# KiCad board BigBoy.kicad_pcb (continued)
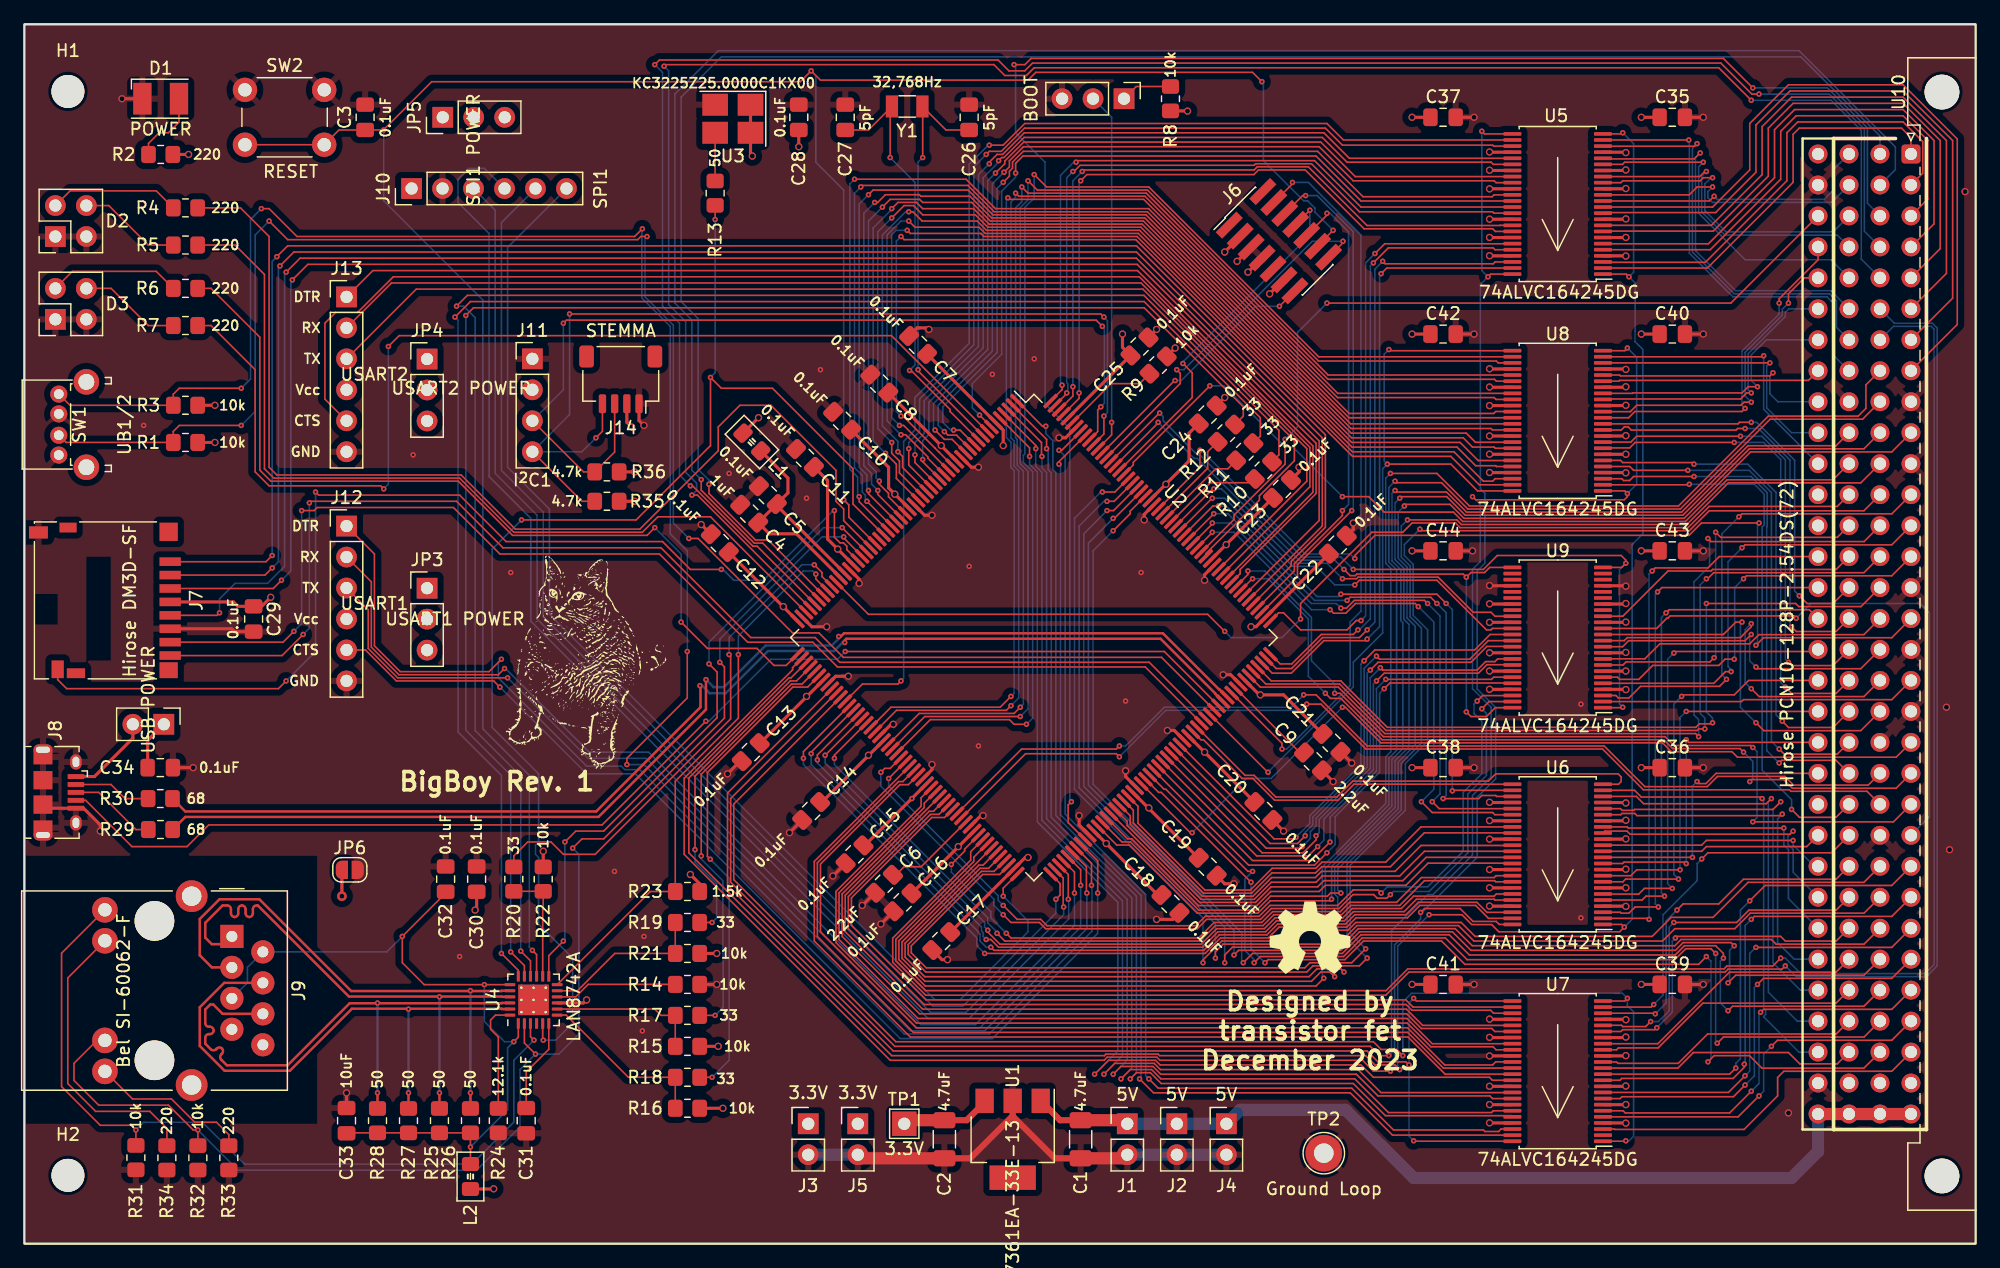
[diagram p0: board, top side]
## Footprints (pads in the part's own frame, mm; a bottom-side part is the same pattern mirrored in y, then rotated) (continued)
  custom 1x0.5 smd: 1(-0.65,0) 2(0.65,0)
SOT-223
  rect 2x1.5 smd: 1(-3.15,2.3) 2(-3.15,0) 3(-3.15,-2.3)
  rect 2x3.8 smd: 4(3.15,0)
SW_PUSH_6mm
  round 2 hole 1.1: 1(0,0) 1(6.5,0) 2(0,-4.5) 2(6.5,-4.5)
TestPoint_Loop_D2.60mm_Drill1.6mm_Beaded
  round 3 hole 1.6: 1(0,0)
TestPoint_THTPad_2.0x2.0mm_Drill1.0mm
  rect 2x2 hole 1: 1(0,0)
TSSOP-48_6.1x12.5mm_P0.5mm
  rrect 1.475x0.3 smd: 1(-3.712,5.75) 2(-3.712,5.25) 3(-3.712,4.75) 4(-3.712,4.25) 5(-3.712,3.75) 6(-3.712,3.25) 7(-3.712,2.75) 8(-3.712,2.25) 9(-3.712,1.75) 10(-3.712,1.25) 11(-3.712,0.75) 12(-3.712,0.25) 13(-3.712,-0.25) 14(-3.712,-0.75) 15(-3.712,-1.25) 16(-3.712,-1.75) 17(-3.712,-2.25) 18(-3.712,-2.75) 19(-3.712,-3.25) 20(-3.712,-3.75) 21(-3.712,-4.25) 22(-3.712,-4.75) 23(-3.712,-5.25) 24(-3.712,-5.75) 25(3.712,-5.75) 26(3.712,-5.25) 27(3.712,-4.75) 28(3.712,-4.25) 29(3.712,-3.75) 30(3.712,-3.25) 31(3.712,-2.75) 32(3.712,-2.25) 33(3.712,-1.75) 34(3.712,-1.25) 35(3.712,-0.75) 36(3.712,-0.25) 37(3.712,0.25) 38(3.712,0.75) 39(3.712,1.25) 40(3.712,1.75) 41(3.712,2.25) 42(3.712,2.75) 43(3.712,3.25) 44(3.712,3.75) 45(3.712,4.25) 46(3.712,4.75) 47(3.712,5.25) 48(3.712,5.75)
USB_Micro-B_Amphenol_10118194_Horizontal
  oval 0.89x1.55 smd: (-3.5,-1.3) (3.5,-1.3)
  oval 1.25x0.95 smd: (-2.5,1.4) (2.5,1.4)
  rect 0.4x1.35 smd: 1(-1.3,1.4) 2(-0.65,1.4) 3(0,1.4) 4(0.65,1.4) 5(1.3,1.4)
  oval 0.89x1.55 hole 0.5x1.15: 6(-3.5,-1.3) 6(3.5,-1.3)
  rect 1.2x1.55 smd: 6(-2.9,-1.3) 6(2.9,-1.3)
  oval 1.25x0.95 hole 0.85x0.55: 6(-2.5,1.4) 6(2.5,1.4)
  rect 1.5x1.55 smd: 6(-1,-1.3) 6(1,-1.3)
VQFN-24-1EP_4x4mm_P0.5mm_EP2.5x2.5mm_ThermalVias
  custom 0.927x0.927 smd: (-0.5,0.5) (-0.5,-0.5) (0.5,0.5) (0.5,-0.5)
  rrect 0.875x0.25 smd: 1(-1.938,1.25) 2(-1.938,0.75) 3(-1.938,0.25) 4(-1.938,-0.25) 5(-1.938,-0.75) 6(-1.938,-1.25) 13(1.938,-1.25) 14(1.938,-0.75) 15(1.938,-0.25) 16(1.938,0.25) 17(1.938,0.75) 18(1.938,1.25)
  rrect 0.25x0.875 smd: 7(-1.25,-1.938) 8(-0.75,-1.938) 9(-0.25,-1.938) 10(0.25,-1.938) 11(0.75,-1.938) 12(1.25,-1.938) 19(1.25,1.938) 20(0.75,1.938) 21(0.25,1.938) 22(-0.25,1.938) 23(-0.75,1.938) 24(-1.25,1.938)
  round 0.5 hole 0.2: 25(-1,1) 25(-1,0) 25(-1,-1) 25(0,1) 25(0,0) 25(0,-1) 25(1,1) 25(1,0) 25(1,-1)
  rect 2.5x2.5 smd: 25(0,0)
  rect 2.5x2.5 smd far side: 25(0,0)

## Nets
+3.3V: C2.1 C7.1 C8.1 C10.1 C11.1 C12.1 C13.1 C14.1 C15.1 C16.1 C17.1 C18.1 C19.1 C20.1 C21.1 C22.1 C23.1 C24.1 C25.1 C28.1 C29.1 C30.1 C37.1 C38.1 C41.1 C42.1 C44.1 J3.1 J5.1 J6.3 J7.4 J11.2 J14.2 JP3.3 JP4.3 JP5.3 L1.2 L2.2 R1.1 R2.1 R3.1 R8.1 R9.1 R15.1 R16.1 R21.1 R22.1 R23.1 R35.1 R36.1 TP1.1 U1.3 U2.6 U2.15 U2.26 U2.39 U2.52 U2.59 U2.73 U2.83 U2.94 U2.103 U2.115 U2.124 U2.137 U2.150 U2.158 U2.171 U2.185 U2.204 U3.1 U3.4 U4.9 U5.31 U5.42 U6.31 U6.42 U7.31 U7.42 U8.31 U8.42 U9.31 U9.42
+5V: C1.1 C34.1 C35.2 C36.2 C39.2 C40.2 C43.2 J1.1 J2.1 J4.1 JP2.1 JP3.1 JP4.1 JP5.1 U1.1 U5.7 U5.18 U6.7 U6.18 U7.7 U7.18 U8.7 U8.18 U9.7 U9.18 U10.a32 U10.b32 U10.c32 U10.d1 U10.d13 U10.d32
GND: C1.2 C2.2 C3.2 C4.1 C5.1 C6.2 C7.2 C8.2 C9.2 C10.2 C11.2 C12.2 C13.2 C14.2 C15.2 C16.2 C17.2 C18.2 C19.2 C20.2 C21.2 C22.2 C23.2 C24.2 C25.2 C26.2 C27.2 C28.2 C29.2 C30.2 C31.2 C32.2 C33.2 C34.2 C35.1 C36.1 C37.2 C38.2 C39.1 C40.1 C41.2 C42.2 C43.1 C44.2 D1.1 D2.2 D2.4 D3.2 D3.4 J1.2 J2.2 J3.2 J4.2 J5.2 J6.5 J6.7 J6.11 J7.6 J7.10 J8.5 J8.6 J10.2 J11.1 J12.6 J13.6 J14.1 JP1.3 JP6.2 R14.2 R24.2 R31.2 R32.2 R33.2 R34.2 SW1.1 SW1.3 SW2.1 TP2.1 U1.2 U2.14 U2.25 U2.40 U2.51 U2.60 U2.72 U2.82 U2.93 U2.114 U2.125 U2.136 U2.149 U2.170 U2.184 U2.202 U3.2 U4.25 U5.4 U5.10 U5.15 U5.21 U5.28 U5.34 U5.39 U5.45 U6.4 U6.10 U6.15 U6.21 U6.28 U6.34 U6.39 U6.45 U7.4 U7.10 U7.15 U7.21 U7.28 U7.34 U7.39 U7.45 U8.4 U8.10 U8.15 U8.21 U8.28 U8.34 U8.39 U8.45 U9.4 U9.10 U9.15 U9.21 U9.28 U9.34 U9.39 U9.45 U10.a9 U10.a11 U10.a15 U10.a17 U10.a19 U10.b20 U10.b23 U10.c9 U10.d2 U10.d12 U10.d22 U10.d31
/IO/RD+: J9.4 R27.2 U4.23
/IO/RD-: J9.6 R28.2 U4.22
/IO/TD+: J9.1 R25.2 U4.21
/IO/TD-: J9.3 R26.2 U4.20
AH_DIR: U2.139 U6.24
AL_DIR: U2.55 U5.1 U5.24 U6.1
CLK_25M: R13.2 U2.32 U4.5
DH_DIR: U2.62 U8.1 U8.24
DL_DIR: U2.63 U7.1 U7.24
I2C_SCL: J11.4 J14.4 R35.2 U2.198
I2C_SDA: J11.3 J14.3 R36.2 U2.199
LA0: U2.200 U7.47
LA1: U2.201 U7.46
LA2: U2.1 U7.44
LA3: U2.2 U7.43
LA4: U2.3 U7.41
LA5: U2.4 U7.40
LA6: U2.5 U7.38
LA7: U2.79 U7.37
LA8: U2.80 U7.36
LA9: U2.81 U7.35
LA10: U2.84 U7.33
LA11: U2.85 U7.32
LA12: U2.86 U7.30
LA13: U2.87 U7.29
LA14: U2.88 U7.27
LA15: U2.89 U7.26
LA16: U2.16 U8.47
LA17: U2.17 U8.46
LA18: U2.18 U8.44
LA19: U2.22 U8.43
LA20: U2.23 U8.41
LA21: U2.24 U8.40
LA22: U2.27 U8.38
LA23: U2.28 U8.37
LA24: U2.29 U8.36
LA25: U2.30 U8.35
LA26: U2.31 U8.33
LA27: U2.70 U8.32
LA28: U2.71 U8.30
LA29: U2.74 U8.29
LA30: U2.75 U8.27
LA31: U2.76 U8.26
LAM0: U2.132 U9.40
LAM1: U2.133 U9.38
LAM2: U2.134 U9.37
LAM3: U2.135 U9.36
LAM4: U2.178 U9.35
LAM5: U2.179 U9.33
LD0: U2.154 U5.47
LD1: U2.155 U5.46
LD2: U2.156 U5.44
LD3: U2.157 U5.43
LD4: U2.205 U5.41
LD5: U2.206 U5.40
LD6: U2.207 U5.38
LD7: U2.208 U5.37
LD8: U2.7 U5.36
LD9: U2.11 U5.35
LD10: U2.12 U5.33
LD11: U2.13 U5.32
LD12: U2.19 U5.30
LD13: U2.20 U5.29
LD14: U2.21 U5.27
LD15: U2.64 U5.26
LD16: U2.65 U6.47
LD17: U2.66 U6.46
LD18: U2.67 U6.44
LD19: U2.68 U6.43
LD20: U2.69 U6.41
LD21: U2.95 U6.40
LD22: U2.118 U6.38
LD23: U2.119 U6.37
LD24: U2.120 U6.36
LD25: U2.121 U6.35
LD26: U2.122 U6.33
LD27: U2.123 U6.32
LD28: U2.174 U6.30
LD29: U2.175 U6.29
LD30: U2.176 U6.27
LD31: U2.177 U6.26
RMII_CRS_DV: R19.1 U2.56
RMII_MDC: U2.36 U4.13
RMII_MDIO: R23.2 U2.45 U4.12
RMII_nINT: J9.L3 R32.1 U2.37 U4.2
RMII_REF_CLK: R20.1 U2.44
RMII_RXD0: R17.1 U2.57
RMII_RXD1: R18.1 U2.58
RMII_TXD0: R12.2 U4.17
RMII_TXD1: R11.2 U4.18
RMII_TXEN: R10.2 U4.16
SDIO_CLK: J7.5 U2.163
SDIO_CMD: J7.3 U2.166
SDIO_D0: J7.7 U2.140
SDIO_D1: J7.8 U2.141
SDIO_D2: J7.1 U2.161
SDIO_D3: J7.2 U2.162
SDIO_DET: J7.9 U2.38
SPI_SCK: J10.5 U2.105
SPI_SDI: J10.4 U2.107
SPI_SDO: J10.3 U2.106
TCK/SWCLK: J6.6 U2.159
TDI: J6.10 U2.160
TDO/SWO: J6.8 U2.192
TMS/SWDIO: J6.4 U2.147
UB1: R1.2 SW1.2 U2.143
UB2: R3.2 SW1.4 U2.110
UL1: R4.1 U2.35
UL2: R5.1 U2.50
UL3: R6.1 U2.53
UL4: R7.1 U2.8
USART1_CTS: J12.1 U2.111
USART1_RTS: J12.5 U2.112
USART1_RX: J12.3 U2.109
USART1_TX: J12.2 U2.108
USART2_CTS: J13.1 U2.167
USART2_RTS: J13.5 U2.168
USART2_RX: J13.3 U2.172
USART2_TX: J13.2 U2.169
USB_DN: R30.2 U2.145
USB_DP: R29.2 U2.146
USB_ID: J8.4 U2.144
VA1: U7.3 U10.a30
VA2: U7.5 U10.a29
VA3: U7.6 U10.a28
VA4: U7.8 U10.a27
VA5: U7.9 U10.a26
VA6: U7.11 U10.a25
VA7: U7.12 U10.a24
VA8: U7.13 U10.c30
VA9: U7.14 U10.c29
VA10: U7.16 U10.c28
VA11: U7.17 U10.c27
VA12: U7.19 U10.c26
VA13: U7.20 U10.c25
VA14: U7.22 U10.c24
VA15: U7.23 U10.c23
VA16: U8.2 U10.c22
VA17: U8.3 U10.c21
VA18: U8.5 U10.c20
VA19: U8.6 U10.c19
VA20: U8.8 U10.c18
VA21: U8.9 U10.c17
VA22: U8.11 U10.c16
VA23: U8.12 U10.c15
VA24: U8.13 U10.d4
VA25: U8.14 U10.d5
VA26: U8.16 U10.d6
VA27: U8.17 U10.d7
VA28: U8.19 U10.d8
VA29: U8.20 U10.d9
VA30: U8.22 U10.d10
VA31: U8.23 U10.d11
VAM0: U9.9 U10.b16
VAM1: U9.11 U10.b17
VAM2: U9.12 U10.b18
VAM3: U9.13 U10.b19
VAM4: U9.14 U10.a23
VAM5: U9.16 U10.c14
VCP_RX: J6.13 U2.196
VCP_TX: J6.14 U2.195
VD0: U5.2 U10.a1
VD1: U5.3 U10.a2
VD2: U5.5 U10.a3
VD3: U5.6 U10.a4
VD4: U5.8 U10.a5
VD5: U5.9 U10.a6
VD6: U5.11 U10.a7
VD7: U5.12 U10.a8
VD8: U5.13 U10.c1
VD9: U5.14 U10.c2
VD10: U5.16 U10.c3
VD11: U5.17 U10.c4
VD12: U5.19 U10.c5
VD13: U5.20 U10.c6
VD14: U5.22 U10.c7
VD15: U5.23 U10.c8
VD16: U6.2 U10.d14
VD17: U6.3 U10.d15
VD18: U6.5 U10.d16
VD19: U6.6 U10.d17
VD20: U6.8 U10.d18
VD21: U6.9 U10.d19
VD22: U6.11 U10.d20
VD23: U6.12 U10.d21
VD24: U6.13 U10.d23
VD25: U6.14 U10.d24
VD26: U6.16 U10.d25
VD27: U6.17 U10.d26
VD28: U6.19 U10.d27
VD29: U6.20 U10.d28
VD30: U6.22 U10.d29
VD31: U6.23 U10.d30
~{AH_OE}: U2.138 U6.25
~{AL_OE}: U2.54 U5.25 U5.48 U6.48
~{CTRL_DIR}: U2.194 U9.1 U9.24
~{CTRL_OE}: U2.193 U9.25 U9.48
~{DH_OE}: U2.142 U8.25 U8.48
~{DL_OE}: U2.61 U7.25 U7.48
~{LAS}: U2.77 U9.47
~{LDS0}: U2.129 U9.44
~{LDS1}: U2.78 U9.46
~{LLWORD}: U2.131 U9.41
~{LWRITE}: U2.130 U9.43
~{RESET}: C3.1 J6.12 SW2.2 U2.34 U4.15
~{SPI_CS}: J10.6 U2.104
~{VACFAIL}: U2.113 U10.b3
~{VAS}: U9.2 U10.a18
~{VBBSY}: U2.46 U10.b1
~{VBCLR}: U2.47 U10.b2
~{VBERR}: U2.191 U10.c11
~{VBG0IN}: U2.48 U10.b4
~{VBG0OUT}: U2.49 U10.b5
~{VBG1IN}: U2.96 U10.b6
~{VBG1OUT}: U2.97 U10.b7
~{VBG2IN}: U2.98 U10.b8
~{VBG2OUT}: U2.99 U10.b9
~{VBG3IN}: U2.100 U10.b10
~{VBG3OUT}: U2.101 U10.b11
~{VBR0}: U2.102 U10.b12
~{VBR1}: U2.151 U10.b13
~{VBR2}: U2.152 U10.b14
~{VBR3}: U2.153 U10.b15
~{VDS0}: U9.5 U10.a13
~{VDS1}: U9.3 U10.a12
~{VDTACK}: U2.183 U10.a16
~{VIACKIN}: U2.164 U10.a21
~{VIACKOUT}: U2.165 U10.a22
~{VIACK}: U2.126 U10.a20
~{VIRQ1}: U2.127 U10.b30
~{VIRQ2}: U2.128 U10.b29
~{VIRQ3}: U2.186 U10.b28
~{VIRQ4}: U2.187 U10.b27
~{VIRQ5}: U2.188 U10.b26
~{VIRQ6}: U2.189 U10.b25
~{VIRQ7}: U2.190 U10.b24
~{VLWORD}: U9.8 U10.c13
~{VRETRY}: U2.173 U10.d3
~{VSERCLK}: U2.90 U10.b21
~{VSERDAT}: U2.91 U10.b22
~{VSYSCLK}: U2.117 U10.a10
~{VSYSFAIL}: U2.116 U10.c10
~{VSYSRESET}: U2.43 U10.c12
~{VWRITE}: U9.6 U10.a14
Net-(C6-Pad1): C6.1 U2.92
Net-(C9-Pad1): C9.1 U2.148
Net-(D1-A): D1.2 R2.2
Net-(D2-A1): D2.1 R5.2
Net-(D2-A2): D2.3 R4.2
Net-(D3-A1): D3.1 R7.2
Net-(D3-A2): D3.3 R6.2
Net-(J8-D+): J8.3 R29.1
Net-(J8-D-): J8.2 R30.1
Net-(J8-VBUS): J8.1 JP2.2
Net-(J9-PadL2): J9.L2 R34.1
Net-(J9-PadL4): J9.L4 R33.1
Net-(J9-RCT): C32.1 C33.1 J9.2 J9.5 L2.1 R25.1 R26.1 R27.1 R28.1 U4.1 U4.19
Net-(J10-Pin_1): J10.1 JP5.2
Net-(J12-Pin_4): J12.4 JP3.2
Net-(J13-Pin_4): J13.4 JP4.2
Net-(JP1-A): JP1.1 R8.2
Net-(JP1-C): JP1.2 U2.197
Net-(JP6-A): J9.8 J9.SH JP6.1
Net-(U2A-PC14): C26.1 U2.9 Y1.2
Net-(U2A-PC15): C27.1 U2.10 Y1.1
Net-(U2B-PG11): R10.1 U2.180
Net-(U2B-PG12): R11.1 U2.181
Net-(U2B-PG13): R12.1 U2.182
Net-(U2D-PDR_ON): R9.2 U2.203
Net-(U2D-VDDA): C4.2 C5.2 L1.1 U2.41 U2.42
Net-(U3-CLK): R13.1 U3.3
Net-(U4-CRS_DV/MODE2): R19.2 R21.2 U4.11
Net-(U4-LED1/REGOFF): J9.L1 R31.1 U4.3
Net-(U4-RBIAS): R24.1 U4.24
Net-(U4-RXD0/MODE0): R15.2 R17.2 U4.8
Net-(U4-RXD1/MODE1): R16.2 R18.2 U4.7
Net-(U4-RXER/PHYAD0): R14.1 U4.10
Net-(U4-VDDCR): C31.1 U4.6
Net-(U4-~{INT}/REFCLKO): R20.2 R22.2 U4.14

Pads without a net: J6 1 2 9; J7 11; J9 7; J14 MP; U1 4; U2 33; U4 4; U7 2; U9 17 19 20 22 23 26 27 29 30 32; U10 a31 b31 c31

## Via types
v1: diameter 0.6, hole 0.4, Top to Bottom, 163 vias
v2: diameter 0.45, hole 0.2, Top to Bottom, 472 vias
v3: diameter 0.8, hole 0.4, Top to Bottom, 1 via

## Routing (per net, layer and track width the routed paths; a pad name or vN(x,y) marks a point on that pad's centre or on a via; arc(x,y) is an arc through that point)
+3.3V: length 239.3
  Top w0.254: v1(120.14,88.04) 120.16,88.02 U5.31 ; C44.1 v1(113.79,56.82) ; U2.26 v1(71.37,61.47) 70.87,61.98 70.87,63.68 C10.1 ; C22.1 106.96,56.56 U2.158 101,50.6 v1(100.58,50.6) ; U7.31 120.16,16.9 v1(120.14,16.92) ; J7.4 17.15,52.63 17.51,52.27 C29.1 19.45,52.27 v1(20.19,53.01) ; v1(120.14,29.18) 120.15,29.18 U6.42 ; U3.1 U3.4 59.54,89.35 v1(59.69,89.21) ; L2.2 38.46,4.48 v1(38.48,4.5) ; R2.1 v1(13.46,89.33) ; U2.150 101.27,45.01 v1(101.35,45.01) 103.25,45.01 C21.1 ; C8.1 70.84,69.78 75.17,65.46 v1(75.18,65.46) 75.18,65.44 U2.15 ; C41.1 v1(113.79,21.26) ; v1(82.3,31.67) 82.07,31.67 U2.103 75.95,25.55 C17.1 ; C16.1 72.76,28.72 76.58,32.55 v1(76.58,32.56) 76.6,32.56 U2.94 ; v1(120.14,46.96) 120.15,46.96 U9.42 ; R35.1 v1(50.04,60.88) ; 73.89,72.85 C7.1 74.01,72.97 U2.6 80.26,66.72 v1(80.26,65.46) ; v1(49.78,66.98) 49.4,67.36 J14.2 ; C19.1 96.25,31.65 92.2,35.69 v1(92.2,35.74) 92.16,35.74 U2.124 ; C23.1 102.37,61.17 98.55,57.35 v1(98.55,57.33) 98.53,57.33 U2.171 ; C42.1 v1(113.79,74.6) ; v1(120.14,52.48) 120.16,52.46 U9.31 ; v1(120.14,70.26) 120.16,70.24 U8.31 ; 48.75,63.3 v1(50.04,63.3) ; C12.1 57.76,56.7 62.21,52.25 v1(62.23,52.25) 62.23,52.23 U2.52 ; U5.42 120.15,82.52 v1(120.14,82.52) ; U4.9 45.85,19.74 v1(46.1,19.99) ; v1(15.62,65.71) R1.1 ; R8.1 95.36,92.9 v1(95.38,92.89) ; R21.1 v1(56.77,23.8) ; v1(120.14,34.7) 120.16,34.68 U6.31 ; R15.1 v1(56.9,16.18) ; J6.3 99.7,82.6 v1(98.42,81.33) ; U2.73 69.24,40.06 v1(69.22,40.06) 69.22,40.03 65.4,36.22 C14.1 ; R3.1 v1(15.62,68.76) ; R23.1 55.37,29.52 v1(54.61,30.28) ; C11.1 65.86,62.59 65.86,57.79 v1(66.69,56.96) U2.39 ; C15.1 68.92,32.66 72.76,36.5 v2(72.77,36.5) 72.77,36.51 U2.83 ; U2.204 85.56,67.7 C25.1 90.04,73.51 v1(90.04,74.6) ; U2.185 93.59,62.28 v1(93.6,62.28) 93.6,62.29 95.5,64.2 95.5,66.47 C24.1 ; R16.1 v1(57.28,11.1) ; U2.59 64.17,44.88 v1(64.14,44.88) 64.14,44.85 60.58,41.3 60.17,41.3 ; U2.115 v1(88.71,32.82) 92.93,28.6 C18.1 ; U8.42 120.15,64.74 v1(120.14,64.74) ; C38.1 v1(113.79,39.04) ; L1.2 v1(60.2,67.74) ; C30.1 37.08,27.48 v1(36.96,27.36) ; C37.1 v1(113.79,92.38) ; U2.137 95.46,41.63 v1(96.77,40.31) C20.1 ; R9.1 v1(94.36,73.46) ; v1(120.14,11.4) 120.15,11.4 U7.42 ; R22.1 42.55,32.31 ; C28.1 v1(63.5,89.97)
  Top w0.508: U1.3 78.74,11.6 77.27,10.12 C2.1
  Top w1: TP1.1 72.44,10.12 C2.1
  In2.Cu w0.254: v1(57.28,11.1) 58.55,9.83 J3.1
  In2.Cu w1: TP1.1 J5.1 J3.1
  vias: v1(42.55,32.18)
+5V: length 315.4
  Top w0.254: U6.7 131.31,29.18 v1(131.32,29.18) ; v1(131.32,70.28) 131.27,70.24 U8.18 ; v1(131.32,82.52) 131.31,82.52 U5.7 ; v1(131.32,52.5) 131.27,52.46 U9.18 ; v1(131.32,46.96) 131.31,46.96 U9.7 ; C40.2 v1(132.59,74.6) ; v1(131.32,16.94) 131.27,16.9 U7.18 ; C35.2 v1(132.59,92.38) ; C36.2 v1(132.59,39.04) ; U8.7 131.31,64.74 v1(131.32,64.74) ; C39.2 v1(132.59,21.26) ; C43.2 v1(132.59,56.82) ; U6.18 131.27,34.68 v1(131.32,34.72) ; v1(131.32,88.06) 131.27,88.02 U5.18 ; C34.1 10.11,41.27 JP2.1 ; v1(131.32,11.4) 131.31,11.4 U7.7
  Top w0.508: C1.1 84.93,10.12 U1.1
  Top w1: J1.1 90.15,10.12 C1.1 ; U10.a32 U10.b32 U10.c32 U10.d32
  In2.Cu w1: JP2.1 32.77,42.6 35.56,45.39 35.56,52.12 33.92,53.76 JP3.1 33.02,62.28 35.69,64.95 35.69,70.66 33.78,72.57 33.02,72.57 28.07,77.52 28.07,88.7 31.75,92.38 JP5.1 34.31,94.81 37.85,98.35 143.26,98.35 147.08,94.53 U10.d1
  Bottom w1: U10.d32 147.08,7.56 144.91,5.39 113.92,5.39 108.33,10.97 99.71,10.97 J4.1 J2.1 J1.1
GND: length 272.8
  Top w0.254: v1(99.19,29.52) 98.42,29.52 C19.2 ; J6.7 v1(100.33,79.68) ; U2.170 96.77,54.86 v1(96.77,54.41) ; U8.39 120.15,66.24 v1(120.14,66.24) ; U6.15 131.3,33.18 v1(131.32,33.2) ; v1(120.14,71.76) 120.16,71.74 U8.28 ; U5.39 120.15,84.02 v1(120.14,84.02) ; v1(86.49,35.1) 86.49,34.34 U2.114 ; C13.2 58.7,39.58 v1(57.66,38.53) ; U9.10 131.29,48.46 v1(131.32,48.49) ; C22.2 108.46,58.06 108.97,58.57 v1(108.97,59.11) ; v1(74.42,59.74) 73.81,59.74 U2.25 ; v1(131.32,50.98) 131.3,50.96 U9.15 ; v1(6.22,33.83) 6.22,34.34 4.86,35.71 J8.5 1.82,35.71 J8.6 ; C42.2 v1(118.87,74.6) ; U6.39 120.15,30.68 v1(120.14,30.68) ; C35.1 v1(137.67,92.38) ; J6.11 103.25,79.05 v1(102.11,77.9) ; v1(120.14,89.54) 120.16,89.52 U5.28 ; v1(74.17,74.98) 74.04,75.11 73.21,75.11 C7.2 ; C21.2 v1(108.84,39.42) ; v1(131.32,30.71) 131.29,30.68 U6.10 ; v1(50.8,67.11) 50.4,67.51 J14.1 ; C44.2 v1(118.74,56.82) ; v1(92.84,26.59) 94.18,26.59 C18.2 ; U7.4 131.3,9.9 v1(131.32,9.88) ; U8.34 120.15,68.74 v1(120.14,68.73) ; C12.2 v1(55.5,58.98) ; v1(74.42,39.29) 74.42,38.87 U2.82 ; U7.15 131.3,15.4 v1(131.32,15.42) ; U9.28 120.16,53.96 v1(120.14,53.98) ; C15.2 v1(66.29,30.15) ; U5.15 131.3,86.52 v1(131.32,86.54) ; C41.2 v1(118.87,21.26) ; v1(120.14,15.39) 120.15,15.4 U7.34 ; v1(131.32,53.92) 131.28,53.96 U9.21 ; 11.95,50.43 17,50.43 17.24,50.19 C29.2 ; U8.10 131.29,66.24 v1(131.32,66.27) ; U2.202 85.38,66.09 v1(84.84,66.09) ; v1(120.14,33.17) 120.15,33.18 U6.34 ; U6.4 131.3,27.68 v1(131.32,27.66) ; v1(99.44,80.57) 100.59,81.72 J6.5 ; U6.21 131.28,36.18 v1(131.32,36.14) ; U2.60 66.53,46.53 v1(67.56,46.53) ; U5.45 120.15,81.02 v1(120.14,81.03) ; U5.21 131.28,89.52 v1(131.32,89.48) ; C9.2 v1(107.32,37.9) ; C36.1 v1(137.67,39.04) ; C39.1 v1(137.67,21.26) ; C34.2 v1(13.84,39.04) ; C33.2 v1(26.42,12.37) ; C25.2 v1(92.84,74.98) ; v1(78.23,63.68) 77.65,63.68 U2.14 ; C37.2 v1(118.87,92.38) ; U8.15 131.3,68.74 v1(131.32,68.76) ; v1(131.32,63.22) 131.3,63.24 U8.4 ; C38.2 v1(118.87,39.04) ; U5.4 131.3,81.02 v1(131.32,81) ; v1(120.14,50.95) 120.15,50.96 U9.34 ; v1(75.69,23.29) 75.24,23.29 C17.2 ; U2.125 90.3,38.3 v1(90.3,38.79) ; U7.28 120.16,18.4 v1(120.14,18.42) ; U2.184 91.82,59.81 v1(91.82,59.36) ; v1(120.14,45.47) 120.15,45.46 U9.45 ; v1(131.32,12.93) 131.29,12.9 U7.10 ; U5.34 120.15,86.52 v1(120.14,86.51) ; v1(65.79,50.6) 64.57,50.6 U2.51 ; v1(120.14,12.9) 120.15,12.9 U7.39 ; C24.2 v1(98.42,69.39) ; v1(71.25,42.6) 71.07,42.6 U2.72 ; C14.2 v1(62.74,33.71) ; U9.39 120.15,48.46 v1(120.14,48.46) ; C6.2 v1(68.71,27.74) ; C43.1 v1(137.67,56.82) ; U9.4 131.3,45.46 v1(131.32,45.44) ; v1(120.14,36.2) 120.16,36.18 U6.28 ; v1(120.14,63.25) 120.15,63.24 U8.45 ; U7.45 120.15,9.9 v1(120.14,9.91) ; U2.40 68.45,54.49 v1(68.45,54.15) ; v1(120.14,27.69) 120.15,27.68 U6.45 ; v1(131.32,71.7) 131.28,71.74 U8.21 ; U7.21 131.28,18.4 v1(131.32,18.36) ; U2.93 78.43,35.1 v1(78.61,35.1) ; C40.1 v1(137.67,74.6) ; U5.10 131.29,84.02 v1(131.32,84.05) ; R14.2 v1(56.77,21.26) ; C20.2 v1(103.25,33.83) ; v1(104.52,63.68) 104.52,63.3 C23.2 ; C16.2 v1(70.23,26.21) ; U2.149 98.91,46.66 v1(98.3,46.66) ; D1.1 v1(8,93.9) ; v1(93.73,42.09) 94.29,42.09 U2.136
  Top w0.508: C2.2 77.56,7 81.04,10.48 ; 81.04,10.48 81.04,10.45 84.49,7 C1.2 ; 81.04,10.48 U1.2
  Top w1: J1.2 90.15,7 C1.2 ; C2.2 68.63,7 J5.2
  In1.Cu w0.254: v1(157.61,43.99) 157.26,43.65 U10.a19 ; U10.d2 148.26,85.65 158.5,85.65 v1(159.13,86.28) ; U10.c9 150.85,70.28 153.47,70.28 U10.a9 156.08,67.67 156.08,65.35 U10.a11 ; v1(144.65,10.72) 144.65,10.74 U10.d31 ; U10.a19 U10.b20 150.88,39.83 150.88,38.02 150.11,37.26 148.31,37.26 U10.d22 148.26,34.85 150.8,34.85 U10.b23 153.34,32.31 v1(157.86,32.31) ; U10.a19 153.42,44.93 153.42,47.45 U10.a17 ; SW1.1 1.79,64.68 1.27,65.2 1.27,67.49 1.84,68.05 SW1.3
  Bottom w1: J1.2 J2.2 J4.2 ; J3.2 J5.2
  vias: v2(9.78,67.11) v2(31.88,64.69) v2(35.69,23.55) v2(39.88,55.04) v2(48.39,30.53) v2(50.67,17.45) v2(50.8,25.2) v2(57.78,63.17) v2(64.14,61.14) v2(65.28,71.68) v2(77.47,55.55) v2(78.23,40.82) v2(79.38,71.3) v2(82.8,72.57) v2(90.3,44.5) v2(91.57,55.04) v2(127.64,44.25) v2(127.64,26.72)
/IO/RD+: length 45.7
  Top w0.2: U4.23 39.16,19.24 39.13,19.27 26.86,19.27 21.77,14.18 16.42,14.18 14.38,16.21 14.38,19.38 16.38,21.39 J9.4 ; R27.2 v2(31.5,12.37)
  Bottom w0.2: v2(31.5,12.37) v2(31.5,19.23)
/IO/RD-: length 46.2
  Top w0.2: U4.22 39.16,19.74 39.13,19.72 26.67,19.72 21.59,14.63 16.6,14.63 16.14,15.09 arc(16.05,15.3) 16.14,15.52 16.2,15.58 arc(16.29,15.79) 16.2,16 arc(15.99,16.09) 15.78,16 15.71,15.94 arc(15.5,15.85) 15.29,15.94 14.83,16.4 14.83,16.89 arc(14.92,17.1) 15.13,17.19 15.22,17.19 arc(15.43,17.27) 15.52,17.48 arc(15.43,17.7) 15.22,17.79 15.13,17.79 arc(14.92,17.87) 14.83,18.09 14.83,19.2 15.24,19.61 15.49,19.61 16.26,18.85 J9.6 ; R28.2 v2(28.96,12.37)
  Bottom w0.2: v2(28.96,19.74) v2(28.96,12.37)
/IO/TD+: length 44.5
  Top w0.2: R25.2 v2(34.04,12.37) ; U4.21 39.16,20.24 39.13,20.27 26.61,20.27 19.14,27.74 19.04,27.74 arc(18.82,27.65) 18.74,27.44 18.74,27.09 arc(18.65,26.88) 18.44,26.79 arc(18.22,26.88) 18.14,27.09 18.14,27.44 arc(18.05,27.65) 17.84,27.74 arc(17.62,27.65) 17.54,27.44 17.54,27.09 arc(17.45,26.88) 17.24,26.79 arc(17.02,26.88) 16.94,27.09 16.94,27.44 arc(16.85,27.65) 16.64,27.74 16.26,27.74 14.83,26.31 14.83,25.1 15.37,24.56 16.38,24.56 J9.1
  Bottom w0.2: v2(34.04,12.37) v2(34.04,20.24) 34.04,20.27
/IO/TD-: length 44.9
  Top w0.2: J9.3 15.37,22.66 14.38,23.64 14.38,26.62 16,28.25 19.27,28.25 26.8,20.72 39.13,20.72 39.16,20.74 U4.20 ; R26.2 v2(36.58,12.37)
  Bottom w0.2: v2(36.58,12.37) v2(36.58,20.75)
AH_DIR: length 40
  Top w0.127: U6.24 130.72,37.68 130.94,37.9 130.94,38.28 130.68,38.53 120.65,38.53 120.05,37.93 108.92,37.93 107.61,36.63 102.62,36.63 100.84,38.41 100.1,38.41 U2.139
AL_DIR: length 188.5
  Top w0.127: v2(112.78,14.28) 112.39,14.66 110.74,14.66 109.98,15.42 93.09,15.42 92.96,15.55 88.69,15.55 88.56,15.42 71.12,15.42 54.48,32.06 54.48,38.19 62.7,46.41 62.87,46.41 64.1,47.64 U2.55 ; v2(131.06,91.11) 130.97,91.02 U5.24 ; U6.1 130.97,26.18 v2(131.19,25.96) 130.81,25.58 120.9,25.58 120.31,26.17 118.68,26.17 117.88,26.98 v2(115.19,26.98) ; v2(131.57,79.3) 131.35,79.52 U5.1
  Bottom w0.127: v2(131.06,91.11) 131.95,90.22 131.95,79.68 v2(131.57,79.3) 132.08,78.79 132.08,74.82 132.07,74.81 132.07,73.97 132.71,73.33 132.71,58.22 131.84,57.34 131.84,26.6 v2(131.19,25.96) ; v2(112.78,14.28) 112.61,14.44 112.61,24.4 v2(115.19,26.98)
CLK_25M: length 108.7
  Top w0.127: v2(40.77,59.36) 50.17,59.36 56.26,65.46 v2(56.26,71.04) 57.15,70.16 61.34,70.16 67.95,63.55 67.95,60.66 U2.32 ; U4.5 42.5,16.73 v2(42.55,16.69) ; R13.2 v2(56.64,84)
  Bottom w0.127: v2(42.55,16.69) 43.56,16.69 44.96,18.09 44.96,23.42 42.16,26.21 42.16,31.67 41.91,31.93 41.91,32.67 42.16,32.93 42.16,38.53 38.35,42.34 38.35,56.95 v2(40.77,59.36) ; v2(56.26,71.04) 56.64,71.43 v2(56.64,84)
DH_DIR: length 159.6
  Top w0.127: U8.24 131.23,73.24 v2(131.44,73.46) ; v2(118.74,61.27) 119,61.01 131.19,61.01 131.44,61.27 v2(131.44,61.52) 131.23,61.74 U8.1 ; U2.62 57.91,36.5 57.91,29.64 71.37,16.18 110.36,16.18 111.13,15.42 v2(111.89,15.42)
  Bottom w0.127: v2(118.74,61.27) 119.38,60.63 119.38,55.93 118.74,55.3 118.74,45.51 120.27,43.99 120.27,38.28 118.74,36.75 118.74,31.86 115.51,28.63 115.06,28.63 112.1,25.67 112.1,15.64 v2(111.89,15.42) ; v2(131.44,61.52) 132.21,62.28 132.21,72.7 v2(131.44,73.46)
DL_DIR: length 119.1
  Top w0.127: U7.1 131.28,8.4 v2(131.32,8.43) ; v2(131.44,20.12) 131.23,19.9 U7.24 ; U2.63 58.17,36.05 58.17,29.85 71.46,16.56 110.62,16.56 111.25,15.93 112.52,15.93 v2(113.03,15.42)
  Bottom w0.127: v2(113.03,15.42) 113.03,19.82 113.75,20.53 131.03,20.53 v2(131.44,20.12) ; v2(131.32,8.43) 131.57,8.43 131.95,8.81 131.95,19.02 131.44,19.53 v2(131.44,20.12) ; v2(131.44,20.12) 131.44,20.24
I2C_SCL: length 83
  Top w0.127: v2(88.52,67.87) 88.52,66.4 U2.198 ; v2(46.86,66.09) 47.4,66.63 J14.4 ; R35.2 45.72,60.88 J11.4 ; v2(44.7,76.25) 88.27,76.25 v2(88.52,76)
  Bottom w0.127: v2(46.86,66.09) 45.72,64.95 J11.4 44.7,68 v2(44.7,76.25) ; v2(88.52,76) 88.81,75.71 88.81,68.16 v2(88.52,67.87)
I2C_SDA: length 76.6
  Top w0.127: v2(44.2,75.49) 44.45,75.74 87.88,75.74 v2(88.39,75.24) ; R36.2 48.4,64.93 J14.3 ; U2.199 88.01,66.6 88.01,68.38 v2(88.27,68.63) ; J11.3 45.85,63.3 46.75,63.3
  Bottom w0.127: J11.3 44.2,70.03 v2(44.2,75.49) ; v2(88.39,75.24) 88.56,75.07 88.56,68.92 v2(88.27,68.63)
LA0: length 89
  Top w0.127: U7.47 112.18,8.9 108.71,12.37 92.59,12.37 v2(91.44,13.51) ; U2.200 84.84,64.14 v2(84.84,63.93)
  Bottom w0.127: v2(84.84,63.93) 84.96,63.81 84.96,35.17 91.57,28.56 91.57,13.64 v2(91.44,13.51)
LA1: length 88.7
  Top w0.127: U7.46 121.08,9.4 120.88,9.2 119.76,9.2 119.63,9.32 112.27,9.32 108.84,12.75 92.97,12.75 v2(92.21,13.51) ; U2.201 85.07,65.08 v2(84.84,65.08)
  Bottom w0.127: v2(92.21,13.51) 91.95,13.77 91.95,28.63 85.34,35.23 85.34,64.57 v2(84.84,65.08)
LA2: length 93.1
  Top w0.127: U2.1 83.48,67.04 v2(83.76,67.04) 83.82,66.98 ; U7.44 121.92,10.49 111.6,10.49 108.97,13.13 93.22,13.13 92.33,14.02 91.19,14.02 v2(90.68,13.51)
  Bottom w0.127: v2(90.68,13.51) 91.19,14.02 91.19,28.5 84.58,35.1 84.58,63.24 84.33,63.5 84.33,65.87 83.76,66.44 v2(83.76,67.04)
LA3: length 93.6
  Top w0.127: v2(89.92,13.51) 90.68,14.28 92.43,14.28 93.2,13.51 109.09,13.51 111.86,10.75 120.3,10.75 120.45,10.9 U7.43 ; v2(83.82,65.2) 83.82,65.96 81.07,68.72 U2.2
  Bottom w0.127: v2(83.82,65.2) 83.95,65.08 83.95,63.48 84.2,63.22 84.2,34.98 90.8,28.37 90.8,14.4 v2(89.92,13.51)
LA4: length 93.1
  Top w0.127: U7.41 120.38,11.9 120.16,12.12 111,12.12 109.22,13.89 93.17,13.89 92.54,14.53 89.92,14.53 v2(89.28,13.89) ; U2.3 83.4,65.71 83.4,64.6 v2(83.44,64.57)
  Bottom w0.127: v2(83.44,64.57) 83.44,63.63 83.82,63.25 83.82,34.85 90.42,28.25 90.42,15.04 v2(89.28,13.89)
LA5: length 93.7
  Top w0.127: U2.4 82.93,65.47 v2(82.93,65.2) ; U7.40 122.01,12.39 111.24,12.39 109.35,14.28 93.15,14.28 92.64,14.78 89.41,14.78 v2(88.52,13.89)
  Bottom w0.127: v2(82.93,65.2) 82.93,63.78 83.44,63.27 83.44,34.72 90.04,28.12 90.04,15.42 v2(88.52,13.89)
LA6: length 94
  Top w0.127: v2(87.76,13.89) 88.9,15.04 92.75,15.04 93.13,14.66 109.6,14.66 110.61,13.64 120.13,13.64 120.38,13.4 U7.38 ; v2(82.42,64.57) 82.42,65.27 U2.5
  Bottom w0.127: v2(82.42,64.57) 82.42,63.92 83.06,63.29 83.06,34.59 89.66,27.99 89.66,15.8 v2(87.76,13.89)
LA7: length 79.3
  Top w0.127: U7.37 116.5,13.9 113.46,16.94 72.64,16.94 64.77,24.82 64.77,31.34 U2.79
LA8: length 78.6
  Top w0.127: U2.80 72.03,37.9 71.68,37.9 65.02,31.24 65.02,25.2 72.9,17.32 113.44,17.32 116.36,14.4 U7.36
LA9: length 78
  Top w0.127: U7.35 122.01,14.91 120.65,14.91 120.39,14.65 116.47,14.65 113.41,17.7 73.15,17.7 65.28,25.58 65.28,31.13 71.79,37.64 72.49,37.64 U2.81
LA10: length 75
  Top w0.127: U7.33 120.68,15.9 120.43,16.14 115.33,16.14 113.39,18.09 73.15,18.09 66.55,24.69 66.55,28.89 73.53,35.87 73.53,36.57 U2.84
LA11: length 74.1
  Top w0.127: U7.32 115.44,16.4 113.37,18.47 73.28,18.47 66.8,24.94 66.8,28.78 73.79,35.77 73.79,36.12 U2.85
LA12: length 73
  Top w0.127: U7.30 120.58,17.4 120.33,17.64 114.55,17.64 113.35,18.85 73.41,18.85 67.06,25.2 67.06,28.68 U2.86
LA13: length 72.2
  Top w0.127: U2.87 74.54,35.46 74.19,35.46 67.31,28.57 67.31,25.58 73.66,19.23 113.33,19.23 114.66,17.9 U7.29
LA14: length 71.3
  Top w0.127: U7.27 120.47,18.9 120.23,19.14 113.77,19.14 113.31,19.61 73.79,19.61 67.56,25.83 67.56,28.47 74.3,35.2 75,35.2 U2.88
LA15: length 70.5
  Top w0.127: U7.26 113.88,19.4 113.28,19.99 73.93,19.99 67.82,26.1 67.82,28.36 74.41,34.95 75.45,34.95 U2.89
LA16: length 79.5
  Top w0.127: U8.47 119.3,62.24 116.97,64.57 108.91,64.57 91.13,82.35 72.14,82.35 v2(71.88,82.6) ; U2.16 74.98,64.94 74.97,64.94 74.67,65.24 74.67,65.25 72.05,67.87 v2(71.88,67.87)
  Bottom w0.127: v2(71.88,67.87) 71.5,68.25 71.5,82.22 v2(71.88,82.6)
LA17: length 81.1
  Top w0.127: v2(72.39,83.11) 72.64,82.86 78.43,82.86 78.68,82.6 91.24,82.6 108.89,64.95 117.22,64.95 119.63,62.54 120.4,62.54 120.6,62.74 U8.46 ; v2(71.76,67.11) 72.1,67.11 U2.17
  Bottom w0.127: v2(72.39,83.11) 71.48,83.11 71.12,82.75 71.12,67.74 v2(71.76,67.11)
LA18: length 81.9
  Top w0.127: U8.44 120.72,63.74 120.65,63.81 119,63.81 117.48,65.33 108.87,65.33 91.34,82.86 78.79,82.86 78.28,83.36 73.03,83.36 v2(72.52,83.87) ; v2(71.88,66.34) 72.26,66.34 74.08,64.53 74.08,64.42 U2.18
  Bottom w0.127: v2(72.52,83.87) 71.88,83.87 70.74,82.73 70.74,67.49 v2(71.88,66.34)
LA19: length 83.5
  Top w0.127: v2(71.63,64.95) 72.01,64.57 72.01,63.66 U2.22 ; v2(72.52,84.63) 72.85,84.63 73.62,83.87 78.13,83.87 78.89,83.11 91.45,83.11 108.85,65.71 117.73,65.71 119.21,64.23 122.01,64.23 U8.43
  Bottom w0.127: v2(71.63,64.95) 71.63,65.79 70.36,67.06 70.36,82.73 72.26,84.63 v2(72.52,84.63)
LA20: length 84.4
  Top w0.127: U2.23 71.76,63.21 71.76,64.19 71.12,64.82 v2(71.12,65.71) ; v2(71.12,84.12) 72.14,85.14 72.9,85.14 73.66,84.38 77.98,84.38 79,83.36 91.55,83.36 108.82,66.09 117.98,66.09 118.74,65.33 120.52,65.33 120.61,65.24 U8.41
  Bottom w0.127: v2(71.12,84.12) 69.98,82.98 69.98,66.85 v2(71.12,65.71)
LA21: length 85.3
  Top w0.127: U8.40 122.01,65.73 118.98,65.73 118.24,66.47 108.8,66.47 91.66,83.62 79.1,83.62 77.83,84.89 73.66,84.89 73.15,85.4 71.63,85.4 v2(71.12,84.89) ; v2(70.61,64.82) 71.5,63.93 71.5,62.76 U2.24
  Bottom w0.127: v2(70.61,64.82) 69.6,65.84 69.6,83.3 71.12,84.83 v2(71.12,84.89)
LA22: length 86.6
  Top w0.127: U8.38 120.38,66.74 120.26,66.85 108.78,66.85 91.76,83.87 79.21,83.87 77.68,85.4 73.66,85.4 73.41,85.65 70.99,85.65 v2(70.36,85.01) ; v2(70.1,62.54) 70.1,62.29 70.86,61.54 70.86,61.26 72.2,59.91 U2.27
  Bottom w0.127: v2(70.1,62.54) 69.85,62.79 69.85,63.3 69.22,63.93 69.22,83.87 v2(70.36,85.01)
LA23: length 87.8
  Top w0.127: v2(69.98,61.77) 69.98,61.45 U2.28 ; v2(69.72,85.4) 69.97,85.4 70.6,86.03 73.38,86.03 73.51,85.9 77.54,85.9 79.31,84.12 91.87,84.12 108.76,67.24 U8.37
  Bottom w0.127: v2(69.72,85.4) 68.83,84.51 68.83,63.79 69.47,63.16 69.47,62.28 v2(69.98,61.77)
LA24: length 89.1
  Top w0.127: v2(69.22,86.03) 69.6,86.41 77.39,86.41 79.42,84.38 91.97,84.38 108.61,67.74 U8.36 ; v2(69.22,61.77) 69.22,61.51 U2.29
  Bottom w0.127: v2(69.22,61.77) 69.09,61.9 69.09,63.04 68.45,63.68 68.45,85.27 v2(69.22,86.03)
LA25: length 90.6
  Top w0.127: v2(69.09,60.88) 70.68,59.29 70.72,59.29 U2.30 ; U8.35 122.01,68.25 120.65,68.25 120.49,68.09 108.62,68.09 92.08,84.63 79.52,84.63 77.36,86.79 68.71,86.79 v2(68.58,86.67)
  Bottom w0.127: v2(69.09,60.88) 68.96,61.01 68.96,61.39 68.71,61.65 68.71,63.01 68.07,63.65 68.07,86.16 v2(68.58,86.67)
LA26: length 91.7
  Top w0.127: v2(68.45,61.27) 68.45,60.86 U2.31 ; v2(68.07,87.3) 77.22,87.3 79.63,84.89 92.18,84.89 107.68,69.39 120.52,69.39 120.68,69.24 U8.33
  Bottom w0.127: v2(68.07,87.3) 67.69,86.92 67.69,63.51 68.33,62.87 68.33,61.39 v2(68.45,61.27)
LA27: length 101.9
  Top w0.127: U8.32 107.69,69.74 91.78,85.65 80.77,85.65 v2(80.64,85.78) ; U2.70 71.06,43.99 80.01,43.99 v2(80.9,44.88)
  Bottom w0.127: v2(80.64,85.78) 80.52,85.65 80.52,66.11 80.9,65.73 80.9,63.65 81.15,63.4 81.15,45.14 v2(80.9,44.88)
LA28: length 101.9
  Top w0.127: U2.71 71.51,43.74 80.52,43.74 v2(80.9,44.12) ; v2(81.28,86.16) 81.53,85.9 91.89,85.9 106.9,70.89 120.55,70.89 120.7,70.74 U8.30
  Bottom w0.127: v2(80.9,44.12) 81.53,44.76 81.53,63.38 81.15,63.76 81.15,65.84 80.9,66.09 80.9,85.44 81.28,85.82 v2(81.28,86.16)
LA29: length 102
  Top w0.127: v2(81.79,86.67) 82.3,86.16 91.99,86.16 106.91,71.24 U8.29 ; v2(81.66,43.99) 81.15,43.48 73.38,43.48 U2.74
  Bottom w0.127: v2(81.66,43.99) 81.92,44.25 81.92,63.35 81.41,63.86 81.41,65.96 81.28,66.09 81.28,84.95 81.79,85.46 v2(81.79,86.67)
LA30: length 102.2
  Top w0.127: v2(81.66,43.23) 73.83,43.23 U2.75 ; U8.27 120.85,72.24 120.7,72.39 106.12,72.39 92.1,86.41 83.06,86.41 v2(82.3,87.17)
  Bottom w0.127: v2(82.3,87.17) 82.3,85.6 81.66,84.97 81.66,63.97 82.3,63.33 82.3,43.87 v2(81.66,43.23)
